# Altium PCB Copy of TempdevAmmy0923.PcbDoc (part 2 of 4)
Units mm, origin at the board's own origin, x right, y up, seen from the top; angles counter-clockwise.
Board outline 80.31 x 100.3 mm, 2 copper layers (Top Layer, Bottom Layer); 947 components, 586 nets, 3026 pads, 130 vias.
Unrouted connection lines stored in the file: 1955.
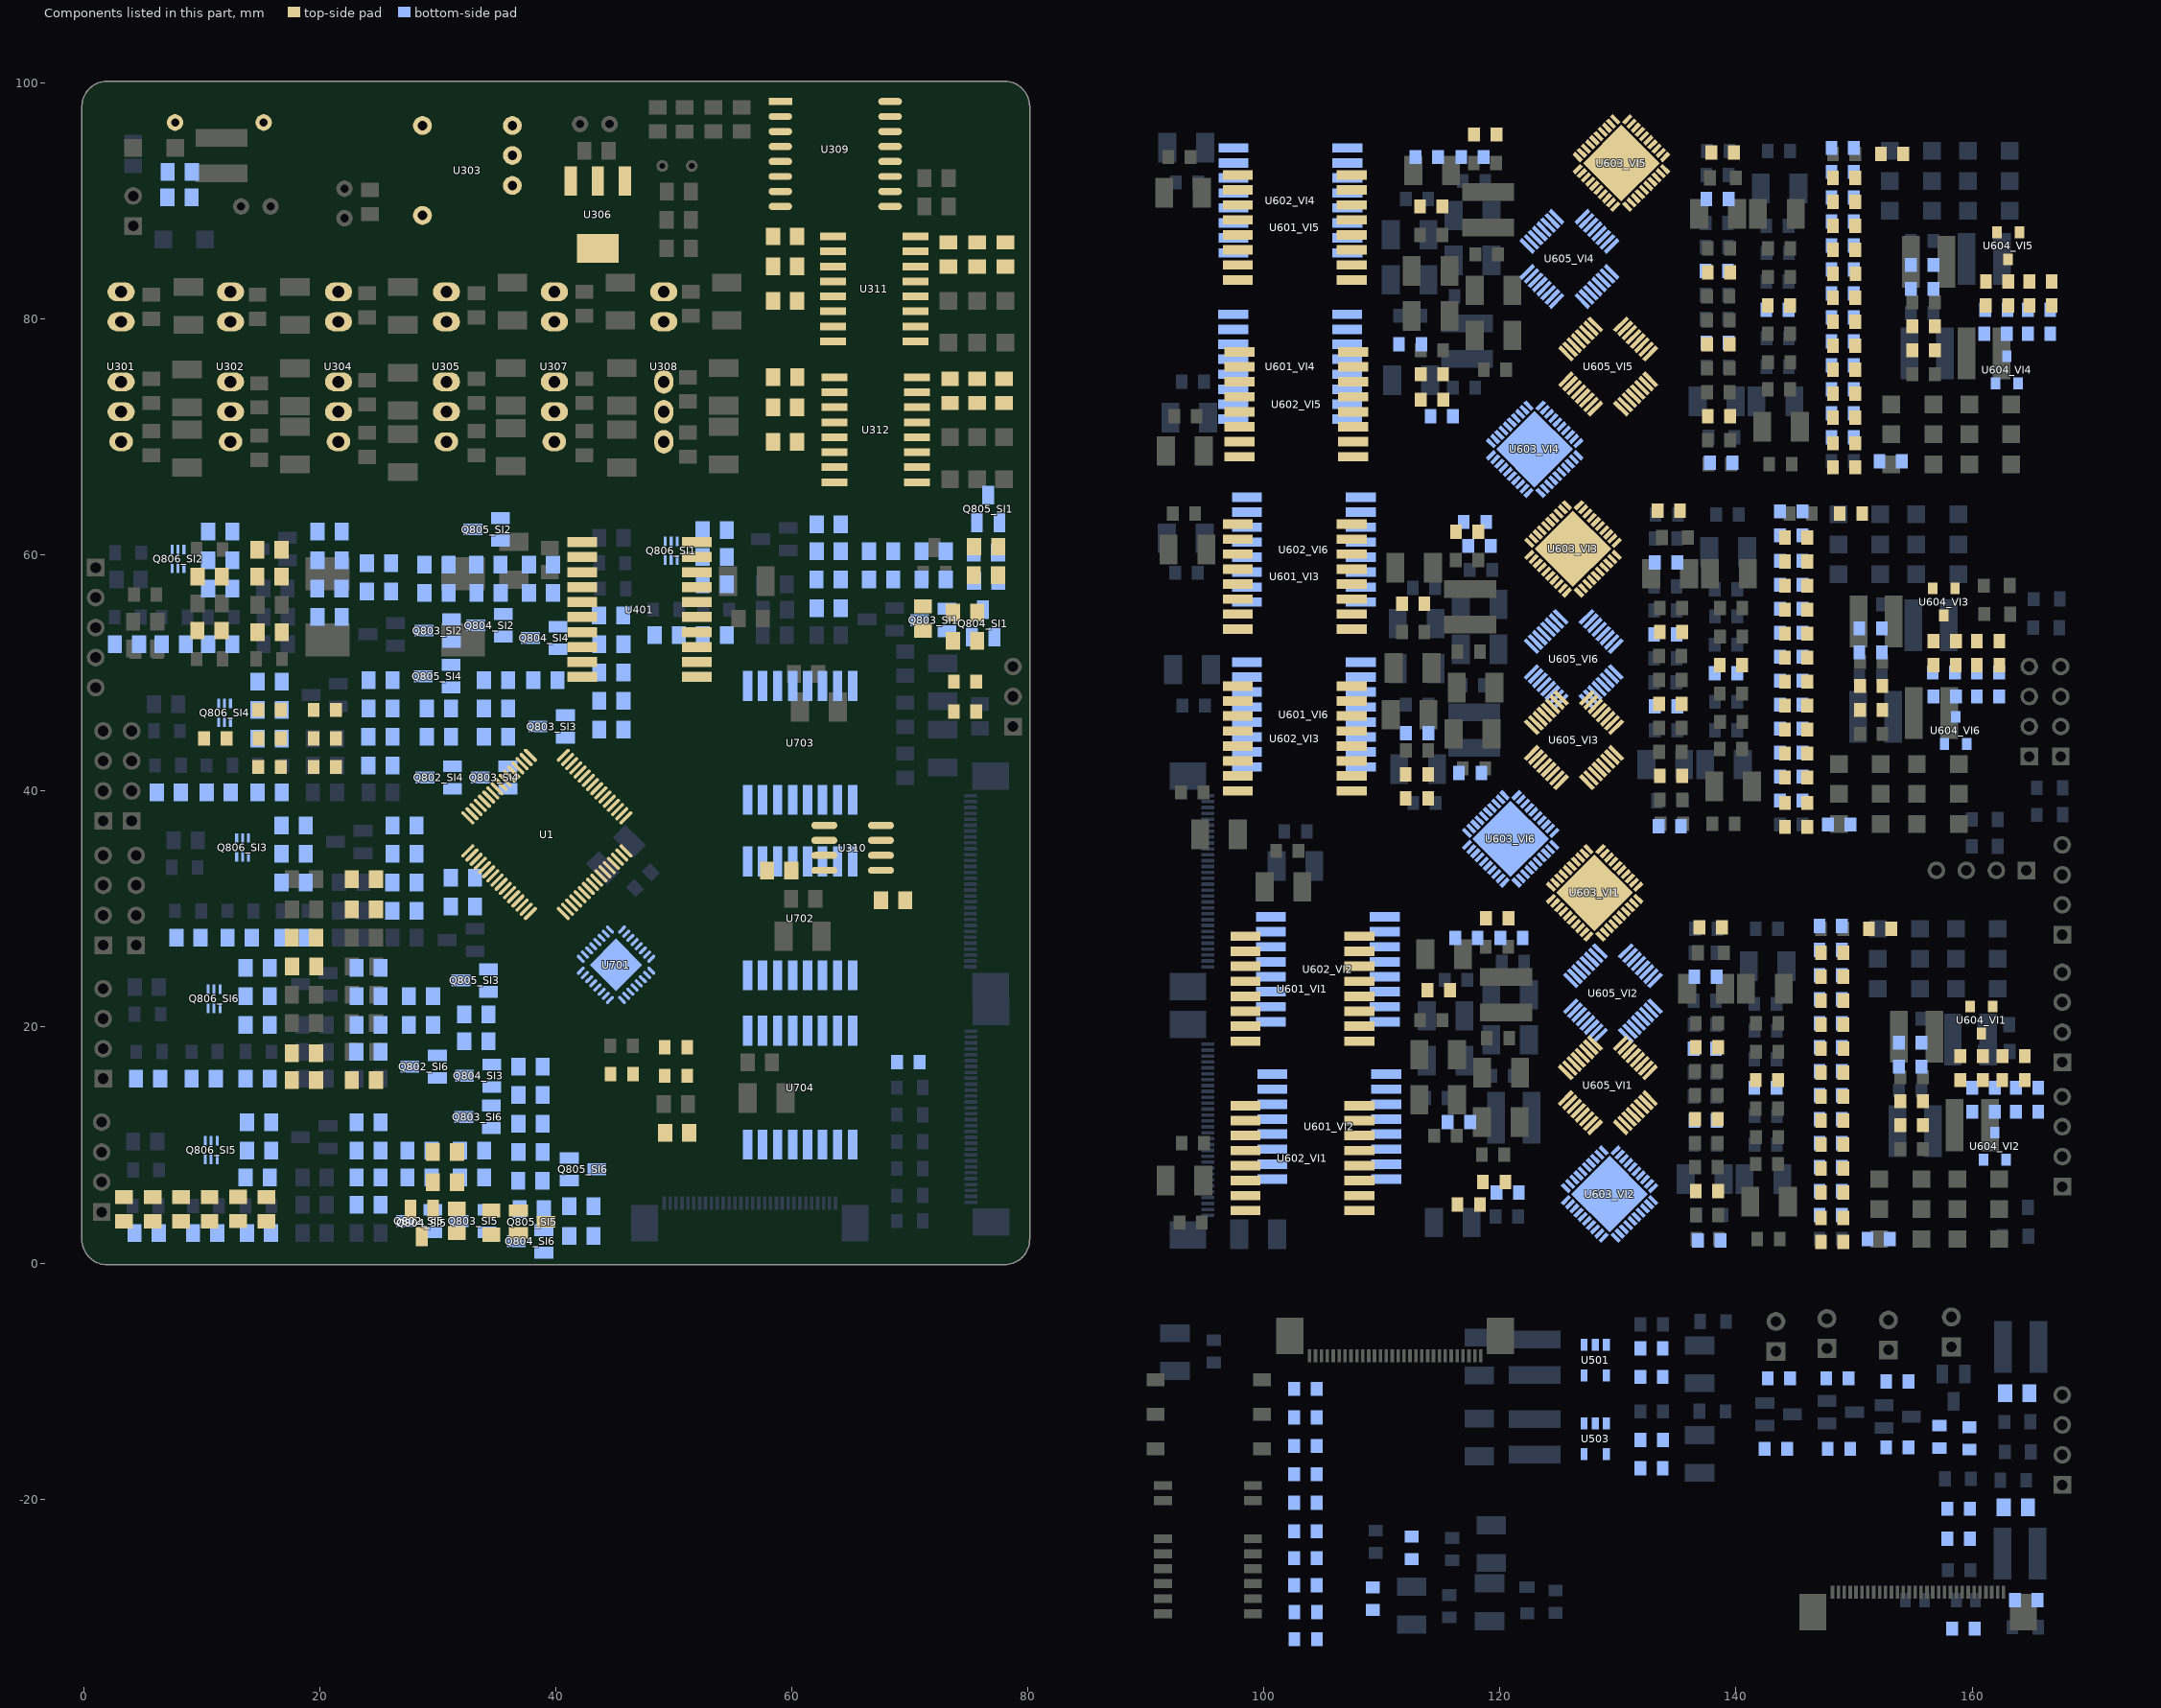
[diagram p2: the components of this part, seen from the top]

## Components (designator, comment, footprint, x,y, rotation, side; value= is the part's Value field where it differs from the comment) (continued)
Q802_SI4 "MMSS8550" SOT-23 31.242,42.098 r270 bottom (schematic designator Q802)
Q802_SI5 "MMSS8550" SOT-23 29.591,4.506 r270 bottom (schematic designator Q802)
Q802_SI6 "MMSS8550" SOT-23 29.972,17.587 r270 bottom (schematic designator Q802)
Q803_SI1 "MMSS8050" SOT-23 73.152,55.433 r270 bottom (schematic designator Q803)
Q803_SI2 "MMSS8050" SOT-23 31.164,54.549 r270 bottom (schematic designator Q803)
Q803_SI3 "MMSS8050" SOT-23 40.816,46.421 r270 bottom (schematic designator Q803)
Q803_SI4 "MMSS8050" SOT-23 35.941,42.098 r270 bottom (schematic designator Q803)
Q803_SI5 "MMSS8050" SOT-23 34.163,4.506 r270 bottom (schematic designator Q803)
Q803_SI6 "MMSS8050" SOT-23 34.544,13.34 r270 bottom (schematic designator Q803)
Q804_SI1 "MMSS8550" SOT-23 77.155,53.037 r180 bottom (schematic designator Q804)
Q804_SI2 "MMSS8550" SOT-23 35.56,54.991 r270 bottom (schematic designator Q804)
Q804_SI3 "MMSS8550" SOT-23 34.593,16.83 r270 bottom (schematic designator Q804)
Q804_SI4 "MMSS8550" SOT-23 40.181,53.914 r270 bottom (schematic designator Q804)
Q804_SI5 "MMSS8550" SOT-23 29.596,4.567 r180 top (schematic designator Q804)
Q804_SI6 "MMSS8550" SOT-23 38.989,2.794 r270 bottom (schematic designator Q804)
Q805_SI1 "BSS138" SOT-23(SS8050) 77.597,62.738 r180 bottom (schematic designator Q805)
Q805_SI2 "BSS138" SOT-23(SS8050) 35.306,63.119 r270 bottom (schematic designator Q805)
Q805_SI3 "BSS138" SOT-23(SS8050) 34.29,24.897 r270 bottom (schematic designator Q805)
Q805_SI4 "BSS138" SOT-23(SS8050) 31.115,50.678 r270 bottom (schematic designator Q805)
Q805_SI5 "BSS138" SOT-23(SS8050) 36.83,4.445 r270 top (schematic designator Q805)
Q805_SI6 "BSS138" SOT-23(SS8050) 41.148,6.985 r90 bottom (schematic designator Q805)
Q806_SI1 "Si1024X" SOT563 49.268,61.125 r270 bottom (schematic designator Q806)
Q806_SI2 "Si1024X" SOT563 7.485,60.414 r270 bottom (schematic designator Q806)
Q806_SI3 "Si1024X" SOT563 12.954,35.979 r270 bottom (schematic designator Q806)
Q806_SI4 "Si1024X" SOT563 11.43,47.371 r270 bottom (schematic designator Q806)
Q806_SI5 "Si1024X" SOT563 10.295,10.325 r270 bottom (schematic designator Q806)
Q806_SI6 "Si1024X" SOT563 10.541,23.152 r270 bottom (schematic designator Q806)
R201 "RC0805JR-000KL" 0603R 50.181,18.288 r180 top value=0R
R202 "RC0805JR-07120RL" 0603R 50.181,15.875 r180 top value=120
R203 "RC0805JR-0710KL" 0603R 45.593,16.002 r180 top value=10K
R204 "RC0805JR-0720RL" 0603R 74.676,49.26 r180 top value=20
R205 "RC0805JR-0720RL" 0603R 74.676,46.72 r180 top value=20
R206 "RC0805JR-0710KL" 0603R 20.431,46.863 r0 top value=10K
R207 "RC0805JR-0710KL" 0603R 15.748,42.037 r180 top value=10K
R208 "RC0805JR-0710KL" 0603R 15.764,44.45 r180 top value=10K
R209 "RC0805JR-0710KL" 0603R 20.431,42.037 r0 top value=NC
R210 "RC0805JR-0710KL" 0603R 20.431,44.45 r0 top value=NC
R211 "RC0805JR-0710KL" 0603R 15.748,46.863 r180 top value=NC
R212 "RC0805JR-000KL" 0603R 11.16,44.45 r0 top value=0R
R213 "RC0805JR-0710KL" 0603R 69.866,17.018 r180 bottom value=10K
R301 "PNP-200KJBJ26-10R" 0805R 8.144,92.456 r180 bottom value=10
R302 "PNP-200KJBJ26-10R" 0805R 8.128,90.297 r180 bottom value=10
R303 "10D470K" 10D470K 11.497,96.647 r180 bottom
R304 "RC0805JR-071KL" 0805R 58.944,33.274 r180 top value=1K
R305 "RC0805JR-07470RL" 0805R 68.58,30.734 r0 top value=470
R306 "RC0805JR-071KL" 0805R 73.279,85.471 r270 top value=1K
R307 "RC0805JR-071KL" 0805R 75.692,85.471 r270 top value=1K
R308 "RC0805JR-071KL" 0805R 78.105,85.471 r270 top value=1K
R309 "RC0805JR-071KL" 0805R 73.406,73.914 r270 top value=1K
R310 "RC0805JR-071KL" 0805R 75.692,73.914 r270 top value=1K
R311 "RC0805JR-071KL" 0805R 77.978,73.914 r270 top value=1K
R312 "RC0805JR-074700RL" 0805R 59.436,86.995 r180 top value=4.7K
R313 "RC0805JR-074700RL" 0805R 59.436,84.455 r180 top value=4.7K
R314 "RC0805JR-0710KL" 0805R 71.12,54.61 r90 top value=10K
R315 "RC0805JR-074700RL" 0805R 59.436,81.534 r180 top value=4.7K
R316 "RC0805JR-074700RL" 0805R 59.452,75.057 r180 top value=4.7K
R317 "RC0805JR-071KL" 0805R 76.454,60.706 r0 top value=1K
R318 "RC0805JR-071KL" 0805R 76.454,58.293 r180 top value=1K
R319 "RC0805JR-074700RL" 0805R 59.436,72.517 r180 top value=4.7K
R320 "RC0805JR-074700RL" 0805R 59.436,69.596 r180 top value=4.7K
R401 "RC0805JR-0710KL" 0805R 10.668,58.166 r0 top value=10K
R402 "RC0805JR-0720RL" 0805R 15.748,60.452 r180 top value=20
R403 "" 0805R 10.652,53.594 r0 top value=3.9K
R404 "RC0805JR-0720RL" 0805R 15.732,58.166 r0 top value=20
R405 "RC0805JR-0710KL" 0805R 15.764,53.467 r180 top value=10K
R501 "0805L075" 0805R 163.719,-20.701 r180 bottom value=PTC
R502 "" 0603R 164.592,-28.575 r180 bottom value=NC
R503 "RC0805JR-0720RL" 0603R 159.258,-30.988 r180 bottom value=20
R504 "RC0805JR-0720RL" 0603R 158.861,-23.368 r0 bottom value=20
R505 "" 0603R 158.861,-20.828 r0 bottom value=1.5K
R506 "0805L075" 0805R 163.83,-11.049 r180 bottom value=PTC
R507 "RC0805JR-0710KL" 0603R 103.521,-20.32 r180 bottom value=10K
R508 "RC0805JR-0710KL" 0603R 103.521,-22.733 r180 bottom value=10K
R509 "RC0805JR-0710KL" 0603R 103.521,-25.019 r180 bottom value=10K
R510 "RC0805JR-0710KL" 0603R 103.521,-27.305 r180 bottom value=10K
R511 "RC0805JR-0710KL" 0603R 103.537,-29.591 r180 bottom value=10K
R512 "RC0805JR-0710KL" 0603R 103.537,-31.877 r180 bottom value=10K
R513 "RC0805JR-0710KL" 0603R 103.521,-13.081 r180 bottom value=10K
R514 "RC0805JR-0710KL" 0603R 103.521,-10.668 r180 bottom value=10K
R515 "RC0805JR-0710KL" 0603R 103.521,-15.494 r180 bottom value=10K
R516 "RC0805JR-0710KL" 0603R 103.521,-17.907 r180 bottom value=10K
R517 "RC0805JR-07120RL" 0603R 159.766,-14.859 r270 bottom value=120
R518 "RC0805JR-0710KL" 0603R 157.226,-14.732 r270 bottom value=10K
R519 "RC0805JR-07120RL" 0603R 153.67,-10.033 r0 bottom value=120
R520 "RC0805JR-0710KL" 0603R 153.67,-15.621 r0 bottom value=10K
R521 "RC0805JR-07120RL" 0603R 148.59,-9.779 r0 bottom value=120
R522 "RC0805JR-0710KL" 0603R 148.717,-15.748 r0 bottom value=10K
R523 "RC0805JR-07120RL" 0603R 143.637,-9.779 r0 bottom value=120
R524 "RC0805JR-0710KL" 0603R 143.383,-15.748 r0 bottom value=10K
R525 "" 0603R 132.842,-7.239 r180 bottom value=150k
R526 "" 0603R 132.842,-9.652 r0 bottom value=51k
R527 "RC0805JR-0720RL" 0603R 109.22,-28.448 r90 bottom value=51R
R528 "RC0805JR-0720RL" 0603R 112.522,-24.13 r90 bottom value=560k
R529 "" 0603R 132.858,-14.986 r180 bottom value=127k
R530 "" 0603R 132.842,-17.399 r0 bottom value=13.3k
R601_VI1 "RT0603CRD0710KL" 0603R 119.761,29.21 r0 top (schematic designator R601)
R601_VI2 "RT0603CRD0710KL" 0603R 120.65,5.969 r0 bottom (schematic designator R601)
R601_VI3 "RT0603CRD0710KL" 0603R 117.221,61.976 r0 top (schematic designator R601)
R601_VI4 "RT0603CRD0710KL" 0603R 115.067,71.755 r180 bottom (schematic designator R601)
R601_VI5 "RT0603CRD0710KL" 0603R 118.745,95.631 r0 top (schematic designator R601)
R601_VI6 "RT0603CRD0710KL" 0603R 117.475,41.529 r0 bottom (schematic designator R601)
R602_VI1 "RC0603FR-070RL" 0603R 154.874,13.716 r180 top (schematic designator R602)
R602_VI2 "RC0603FR-070RL" 0603R 154.747,16.637 r180 bottom (schematic designator R602)
R602_VI3 "RC0603FR-070RL" 0603R 151.445,48.895 r180 top (schematic designator R602)
R602_VI4 "RC0603FR-070RL" 0603R 155.763,82.55 r180 bottom (schematic designator R602)
R602_VI5 "RC0603FR-070RL" 0603R 155.89,79.375 r180 top (schematic designator R602)
R602_VI6 "RC0603FR-070RL" 0603R 151.404,51.755 r180 bottom (schematic designator R602)
R603_VI1 "RT0603BRD0713K7L" 0603R 137.856,28.448 r0 top (schematic designator R603)
R603_VI2 "RT0603BRD0713K7L" 0603R 137.729,1.905 r0 bottom (schematic designator R603)
R603_VI3 "RT0603BRD0713K7L" 0603R 134.305,63.754 r0 top (schematic designator R603)
R603_VI4 "RT0603BRD0713K7L" 0603R 138.745,67.818 r0 bottom (schematic designator R603)
R603_VI5 "RT0603BRD0713K7L" 0603R 138.872,94.107 r0 top (schematic designator R603)
R603_VI6 "RT0603BRD0713K7L" 0603R 134.386,37.023 r0 bottom (schematic designator R603)
R604_VI1 "RC0603FR-070RL" 0603R 137.541,6.096 r180 top (schematic designator R604)
R604_VI2 "RC0603FR-070RL" 0603R 137.414,24.257 r180 bottom (schematic designator R604)
R604_VI3 "RC0603FR-070RL" 0603R 134.493,41.275 r180 top (schematic designator R604)
R604_VI4 "RC0603FR-070RL" 0603R 138.43,90.17 r180 bottom (schematic designator R604)
R604_VI5 "RC0603FR-070RL" 0603R 138.557,71.755 r180 top (schematic designator R604)
R604_VI6 "RC0603FR-070RL" 0603R 134.071,59.375 r180 bottom (schematic designator R604)
R605_VI1 "RC0603FR-070RL" 0603R 154.874,11.684 r180 top (schematic designator R605)
R605_VI2 "RC0603FR-070RL" 0603R 154.747,18.669 r180 bottom (schematic designator R605)
R605_VI3 "RC0603FR-070RL" 0603R 151.445,46.863 r180 top (schematic designator R605)
R605_VI4 "RC0603FR-070RL" 0603R 155.763,84.582 r180 bottom (schematic designator R605)
R605_VI5 "RC0603FR-070RL" 0603R 155.89,77.343 r180 top (schematic designator R605)
R605_VI6 "RC0603FR-070RL" 0603R 151.404,53.787 r180 bottom (schematic designator R605)
R606_VI1 "RC0603FR-0710RL" 0603R 152.207,28.321 r180 top (schematic designator R606)
R606_VI2 "RC0603FR-0710RL" 0603R 152.08,2.032 r180 bottom (schematic designator R606)
R606_VI3 "RC0603FR-0710RL" 0603R 149.733,63.5 r180 top (schematic designator R606)
R606_VI4 "RC0603FR-0710RL" 0603R 153.096,67.945 r180 bottom (schematic designator R606)
R606_VI5 "RC0603FR-0710RL" 0603R 153.223,93.98 r180 top (schematic designator R606)
R606_VI6 "RC0603FR-0710RL" 0603R 148.737,37.15 r180 bottom (schematic designator R606)
R607_VI1 "RT0603CRD074K7L" 0603R 148.143,24.257 r180 top (schematic designator R607)
R607_VI2 "RT0603CRD074K7L" 0603R 148.016,6.096 r180 bottom (schematic designator R607)
R607_VI3 "RT0603CRD074K7L" 0603R 145.095,59.436 r180 top (schematic designator R607)
R607_VI4 "RT0603CRD074K7L" 0603R 149.032,72.009 r180 bottom (schematic designator R607)
R607_VI5 "RT0603CRD074K7L" 0603R 149.159,89.916 r180 top (schematic designator R607)
R607_VI6 "RT0603CRD074K7L" 0603R 144.673,41.214 r180 bottom (schematic designator R607)
R608_VI1 "RT0603BRD071KL" 0603R 148.143,26.289 r180 top (schematic designator R608)
R608_VI2 "RT0603BRD071KL" 0603R 148.016,4.064 r180 bottom (schematic designator R608)
R608_VI3 "RT0603BRD071KL" 0603R 145.095,61.468 r180 top (schematic designator R608)
R608_VI4 "RT0603BRD071KL" 0603R 149.032,69.977 r180 bottom (schematic designator R608)
R608_VI5 "RT0603BRD071KL" 0603R 149.159,91.948 r180 top (schematic designator R608)
R608_VI6 "RT0603BRD071KL" 0603R 144.673,39.182 r180 bottom (schematic designator R608)
R609_VI1 "RT0603BRD071KL" 0603R 163.51,15.494 r180 top (schematic designator R609)
R609_VI2 "RT0603BRD071KL" 0603R 164.653,14.859 r180 bottom (schematic designator R609)
R609_VI3 "RT0603BRD071KL" 0603R 161.356,50.673 r180 top (schematic designator R609)
R609_VI4 "RT0603BRD071KL" 0603R 165.669,80.772 r180 bottom (schematic designator R609)
R609_VI5 "RT0603BRD071KL" 0603R 165.796,81.153 r180 top (schematic designator R609)
R609_VI6 "RT0603BRD071KL" 0603R 161.351,50.038 r180 bottom (schematic designator R609)
R610_VI1 "RT0603BRD071KL" 0603R 148.143,22.225 r180 top (schematic designator R610)
R610_VI2 "RT0603BRD071KL" 0603R 148.016,8.128 r180 bottom (schematic designator R610)
R610_VI3 "RT0603BRD071KL" 0603R 145.095,57.404 r180 top (schematic designator R610)
R610_VI4 "RT0603BRD071KL" 0603R 149.032,74.041 r180 bottom (schematic designator R610)
R610_VI5 "RT0603BRD071KL" 0603R 149.159,87.884 r180 top (schematic designator R610)
R610_VI6 "RT0603BRD071KL" 0603R 144.673,43.246 r180 bottom (schematic designator R610)
R611_VI1 "RT0603BRD071KL" 0603R 163.515,17.526 r180 top (schematic designator R611)
R611_VI2 "RT0603BRD071KL" 0603R 164.653,12.827 r180 bottom (schematic designator R611)
R611_VI3 "RT0603BRD071KL" 0603R 161.356,52.705 r180 top (schematic designator R611)
R611_VI4 "RT0603BRD071KL" 0603R 165.669,78.74 r180 bottom (schematic designator R611)
R611_VI5 "RT0603BRD071KL" 0603R 165.796,83.185 r180 top (schematic designator R611)
R611_VI6 "RT0603BRD071KL" 0603R 161.351,48.006 r180 bottom (schematic designator R611)
R612_VI1 "RC0603JR-073KL" 0603R 159.954,15.494 r180 top (schematic designator R612)
R612_VI2 "RC0603JR-073KL" 0603R 160.97,14.859 r180 bottom (schematic designator R612)
R612_VI3 "RC0603JR-073KL" 0603R 157.668,50.673 r180 top (schematic designator R612)
R612_VI4 "RC0603JR-073KL" 0603R 162.052,80.772 r180 bottom (schematic designator R612)
R612_VI5 "RC0603JR-073KL" 0603R 162.113,81.153 r180 top (schematic designator R612)
R612_VI6 "RC0603JR-073KL" 0603R 157.607,50.038 r180 bottom (schematic designator R612)
R613_VI1 "RC0603FR-070RL" 0603R 148.148,18.161 r0 top (schematic designator R613)
R613_VI2 "RC0603FR-070RL" 0603R 148.021,12.192 r0 bottom (schematic designator R613)
R613_VI3 "RC0603FR-070RL" 0603R 145.1,53.34 r0 top (schematic designator R613)
R613_VI4 "RC0603FR-070RL" 0603R 149.037,78.105 r0 bottom (schematic designator R613)
R613_VI5 "RC0603FR-070RL" 0603R 149.164,83.82 r0 top (schematic designator R613)
R613_VI6 "RC0603FR-070RL" 0603R 144.678,47.31 r0 bottom (schematic designator R613)
R614_VI1 "RC0603FR-070RL" 0603R 114.808,23.114 r180 top (schematic designator R614)
R614_VI2 "RC0603FR-070RL" 0603R 116.52,11.938 r180 bottom (schematic designator R614)
R614_VI3 "RC0603FR-070RL" 0603R 112.649,55.88 r180 top (schematic designator R614)
R614_VI4 "RC0603FR-070RL" 0603R 112.395,77.851 r180 bottom (schematic designator R614)
R614_VI5 "RC0603FR-070RL" 0603R 114.173,89.535 r180 top (schematic designator R614)
R614_VI6 "RC0603FR-070RL" 0603R 112.989,44.897 r180 bottom (schematic designator R614)
R615_VI1 "RC0603JR-073KL" 0603R 159.959,17.526 r0 top (schematic designator R615)
R615_VI2 "RC0603JR-073KL" 0603R 160.975,12.827 r0 bottom (schematic designator R615)
R615_VI3 "RC0603JR-073KL" 0603R 157.673,52.705 r0 top (schematic designator R615)
R615_VI4 "RC0603JR-073KL" 0603R 161.991,78.74 r0 bottom (schematic designator R615)
R615_VI5 "RC0603JR-073KL" 0603R 162.118,83.185 r0 top (schematic designator R615)
R615_VI6 "RC0603JR-073KL" 0603R 157.673,48.006 r0 bottom (schematic designator R615)
R616_VI1 "RT0603CRD0710KL" 0603R 148.143,20.193 r180 top (schematic designator R616)
R616_VI2 "RT0603CRD0710KL" 0603R 148.016,10.16 r180 bottom (schematic designator R616)
R616_VI3 "RT0603CRD0710KL" 0603R 145.095,55.372 r180 top (schematic designator R616)
R616_VI4 "RT0603CRD0710KL" 0603R 149.032,76.073 r180 bottom (schematic designator R616)
R616_VI5 "RT0603CRD0710KL" 0603R 149.159,85.852 r180 top (schematic designator R616)
R616_VI6 "RT0603CRD0710KL" 0603R 144.673,45.278 r180 bottom (schematic designator R616)
R617_VI1 "RC0603FR-070RL" 0603R 148.143,16.129 r0 top (schematic designator R617)
R617_VI2 "RC0603FR-070RL" 0603R 148.016,14.224 r0 bottom (schematic designator R617)
R617_VI3 "RC0603FR-070RL" 0603R 145.095,51.308 r0 top (schematic designator R617)
R617_VI4 "RC0603FR-070RL" 0603R 149.032,80.137 r0 bottom (schematic designator R617)
R617_VI5 "RC0603FR-070RL" 0603R 149.159,81.788 r0 top (schematic designator R617)
R617_VI6 "RC0603FR-070RL" 0603R 144.673,49.342 r0 bottom (schematic designator R617)
R618_VI1 "RT0603CRD0710KL" 0603R 148.143,14.097 r180 top (schematic designator R618)
R618_VI2 "RT0603CRD0710KL" 0603R 148.016,16.256 r180 bottom (schematic designator R618)
R618_VI3 "RT0603CRD0710KL" 0603R 145.095,49.276 r180 top (schematic designator R618)
R618_VI4 "RT0603CRD0710KL" 0603R 149.032,82.169 r180 bottom (schematic designator R618)
R618_VI5 "RT0603CRD0710KL" 0603R 149.159,79.756 r180 top (schematic designator R618)
R618_VI6 "RT0603CRD0710KL" 0603R 144.673,51.374 r180 bottom (schematic designator R618)
R619_VI1 "RC0603FR-070RL" 0603R 148.143,12.065 r0 top (schematic designator R619)
R619_VI2 "RC0603FR-070RL" 0603R 148.016,18.288 r0 bottom (schematic designator R619)
R619_VI3 "RC0603FR-070RL" 0603R 145.095,47.244 r0 top (schematic designator R619)
R619_VI4 "RC0603FR-070RL" 0603R 149.032,84.201 r0 bottom (schematic designator R619)
R619_VI5 "RC0603FR-070RL" 0603R 149.159,77.724 r0 top (schematic designator R619)
R619_VI6 "RC0603FR-070RL" 0603R 144.673,53.406 r0 bottom (schematic designator R619)
R620_VI1 "RT0603CRD0710KL" 0603R 148.143,10.033 r180 top (schematic designator R620)
R620_VI2 "RT0603CRD0710KL" 0603R 148.016,20.32 r180 bottom (schematic designator R620)
R620_VI3 "RT0603CRD0710KL" 0603R 145.095,45.212 r180 top (schematic designator R620)
R620_VI4 "RT0603CRD0710KL" 0603R 149.032,86.233 r180 bottom (schematic designator R620)
R620_VI5 "RT0603CRD0710KL" 0603R 149.159,75.692 r180 top (schematic designator R620)
R620_VI6 "RT0603CRD0710KL" 0603R 144.673,55.438 r180 bottom (schematic designator R620)
R621_VI1 "RC0603FR-070RL" 0603R 119.507,6.858 r180 top (schematic designator R621)
R621_VI2 "RC0603FR-070RL" 0603R 120.97,27.559 r180 bottom (schematic designator R621)
R621_VI3 "RC0603FR-070RL" 0603R 112.964,41.402 r0 top (schematic designator R621)
R621_VI4 "RC0603FR-070RL" 0603R 117.668,93.726 r180 bottom (schematic designator R621)
R621_VI5 "RC0603FR-070RL" 0603R 114.229,75.311 r0 top (schematic designator R621)
R621_VI6 "RC0603FR-070RL" 0603R 118.262,60.772 r180 bottom (schematic designator R621)
R622_VI1 "RC0603FR-070RL" 0603R 148.143,1.778 r0 top (schematic designator R622)
R622_VI2 "RC0603FR-070RL" 0603R 148.016,28.575 r0 bottom (schematic designator R622)
R622_VI3 "RC0603FR-070RL" 0603R 145.095,36.957 r0 top (schematic designator R622)
R622_VI4 "RC0603FR-070RL" 0603R 149.032,94.488 r0 bottom (schematic designator R622)
R622_VI5 "RC0603FR-070RL" 0603R 149.159,67.437 r0 top (schematic designator R622)
R622_VI6 "RC0603FR-070RL" 0603R 144.673,63.693 r0 bottom (schematic designator R622)
R623_VI1 "RT0603CRD0710KL" 0603R 117.348,4.953 r180 top (schematic designator R623)
R623_VI2 "RT0603CRD0710KL" 0603R 117.16,27.559 r180 bottom (schematic designator R623)
R623_VI3 "RT0603CRD0710KL" 0603R 112.964,39.37 r0 top (schematic designator R623)
R623_VI4 "RT0603CRD0710KL" 0603R 113.792,93.726 r180 bottom (schematic designator R623)
R623_VI5 "RT0603CRD0710KL" 0603R 114.239,73.152 r180 top (schematic designator R623)
R623_VI6 "RT0603CRD0710KL" 0603R 117.876,62.804 r0 bottom (schematic designator R623)
R624_VI1 "RT0603CRD0710KL" 0603R 148.143,3.81 r180 top (schematic designator R624)
R624_VI2 "RT0603CRD0710KL" 0603R 148.016,26.543 r180 bottom (schematic designator R624)
R624_VI3 "RT0603CRD0710KL" 0603R 145.095,38.989 r180 top (schematic designator R624)
R624_VI4 "RT0603CRD0710KL" 0603R 149.032,92.456 r180 bottom (schematic designator R624)
R624_VI5 "RT0603CRD0710KL" 0603R 149.159,69.469 r180 top (schematic designator R624)
R624_VI6 "RT0603CRD0710KL" 0603R 144.673,61.661 r180 bottom (schematic designator R624)
R625_VI1 "RC0603FR-070RL" 0603R 148.143,8.001 r0 top (schematic designator R625)
R625_VI2 "RC0603FR-070RL" 0603R 148.016,22.352 r0 bottom (schematic designator R625)
R625_VI3 "RC0603FR-070RL" 0603R 145.095,43.18 r0 top (schematic designator R625)
R625_VI4 "RC0603FR-070RL" 0603R 149.032,88.265 r0 bottom (schematic designator R625)
R625_VI5 "RC0603FR-070RL" 0603R 149.159,73.66 r0 top (schematic designator R625)
R625_VI6 "RC0603FR-070RL" 0603R 144.673,57.47 r0 bottom (schematic designator R625)
R626_VI1 "RT0603CRD0710KL" 0603R 148.143,5.969 r180 top (schematic designator R626)
R626_VI2 "RT0603CRD0710KL" 0603R 148.016,24.384 r180 bottom (schematic designator R626)
R626_VI3 "RT0603CRD0710KL" 0603R 145.095,41.148 r180 top (schematic designator R626)
R626_VI4 "RT0603CRD0710KL" 0603R 149.032,90.297 r180 bottom (schematic designator R626)
R626_VI5 "RT0603CRD0710KL" 0603R 149.159,71.628 r180 top (schematic designator R626)
R626_VI6 "RT0603CRD0710KL" 0603R 144.673,59.502 r180 bottom (schematic designator R626)
R627_VI1 "RC0603JR-07150KL" 0603R 137.48,12.192 r0 top (schematic designator R627)
R627_VI2 "RC0603JR-07150KL" 0603R 137.353,18.161 r0 bottom (schematic designator R627)
R627_VI3 "RC0603JR-07150KL" 0603R 134.432,47.371 r0 top (schematic designator R627)
R627_VI4 "RC0603JR-07150KL" 0603R 138.369,84.074 r0 bottom (schematic designator R627)
R627_VI5 "RC0603JR-07150KL" 0603R 138.496,77.851 r0 top (schematic designator R627)
R627_VI6 "RC0603JR-07150KL" 0603R 134.01,53.279 r0 bottom (schematic designator R627)
R628_VI1 "RC0603FR-071M62L" 0603R 142.621,15.494 r0 top (schematic designator R628)
R628_VI2 "RC0603FR-071M62L" 0603R 142.494,14.859 r0 bottom (schematic designator R628)
R628_VI3 "RC0603FR-071M62L" 0603R 139.573,50.673 r0 top (schematic designator R628)
R628_VI4 "RC0603FR-071M62L" 0603R 143.51,80.772 r0 bottom (schematic designator R628)
R628_VI5 "RC0603FR-071M62L" 0603R 143.637,81.153 r0 top (schematic designator R628)
R628_VI6 "RC0603FR-071M62L" 0603R 139.151,49.977 r0 bottom (schematic designator R628)
R629_VI1 "RC0603FR-071M62L" 0603R 137.541,18.288 r180 top (schematic designator R629)
R629_VI2 "RC0603FR-071M62L" 0603R 137.414,12.065 r180 bottom (schematic designator R629)
R629_VI3 "RC0603FR-071M62L" 0603R 134.493,53.467 r180 top (schematic designator R629)
R629_VI4 "RC0603FR-071M62L" 0603R 138.43,77.978 r180 bottom (schematic designator R629)
R629_VI5 "RC0603FR-071M62L" 0603R 138.557,83.947 r180 top (schematic designator R629)
R629_VI6 "RC0603FR-071M62L" 0603R 134.071,47.183 r180 bottom (schematic designator R629)
R701 "RC0805JR-075600RL" 0805R 18.669,25.146 r0 top value=5.6K
R702 "RC0805JR-071KL" 0805R 18.653,27.559 r0 top value=1K
R703 "RC0805JR-071KL" 0805R 23.733,32.512 r0 top value=1K
R704 "RC0805JR-07470RL" 0805R 23.733,29.972 r0 top value=470
R705 "RC0805JR-000KL" 0805R 50.276,11.049 r0 top value=0R
R706 "RC0805JR-071KL" 0805R 23.749,15.494 r180 top value=1K
R707 "RC0805JR-075600RL" 0805R 18.653,15.494 r0 top value=5.6K
R708 "RC0805JR-071KL" 0805R 18.669,17.78 r180 top value=1K
R801_SI1 "RC0805JR-0710KL" 0805R 67.564,60.325 r0 bottom value=10K (schematic designator R801)
R801_SI2 "RC0805JR-0710KL" 0805R 25.019,59.309 r0 bottom value=10K (schematic designator R801)
R801_SI3 "RC0805JR-0710KL" 0805R 32.131,32.639 r0 bottom value=10K (schematic designator R801)
R801_SI4 "RC0805JR-0710KL" 0805R 30.099,46.99 r0 bottom value=10K (schematic designator R801)
R801_SI5 "RC0805JR-0710KL" 0805R 28.448,9.525 r0 bottom value=10K (schematic designator R801)
R801_SI6 "RC0805JR-0710KL" 0805R 28.575,22.606 r0 bottom value=10K (schematic designator R801)
R802_SI1 "RC0805JR-0710KL" 0805R 63.119,60.325 r0 bottom value=10K (schematic designator R802)
R802_SI2 "RC0805JR-0710KL" 0805R 20.828,59.563 r0 bottom value=10K (schematic designator R802)
R802_SI3 "RC0805JR-0710KL" 0805R 27.178,34.671 r0 bottom value=10K (schematic designator R802)
R802_SI4 "RC0805JR-0710KL" 0805R 25.146,46.99 r0 bottom value=10K (schematic designator R802)
R802_SI5 "RC0805JR-0710KL" 0805R 24.13,9.525 r0 bottom value=10K (schematic designator R802)
R802_SI6 "RC0805JR-0710KL" 0805R 24.13,22.606 r0 bottom value=10K (schematic designator R802)
R803_SI1 "RC0805JR-0710KL" 0805R 63.119,62.611 r0 bottom value=10K (schematic designator R803)
R803_SI2 "RC0805JR-0710KL" 0805R 20.828,61.976 r0 bottom value=10K (schematic designator R803)
R803_SI3 "RC0805JR-0710KL" 0805R 27.178,37.084 r0 bottom value=10K (schematic designator R803)
R803_SI4 "RC0805JR-0710KL" 0805R 25.146,49.403 r0 bottom value=10K (schematic designator R803)
R803_SI5 "RC0805JR-0710KL" 0805R 24.13,11.938 r0 bottom value=10K (schematic designator R803)
R803_SI6 "RC0805JR-0710KL" 0805R 24.13,25.019 r0 bottom value=10K (schematic designator R803)
R804_SI1 "RC0805JR-0710KL" 0805R 67.564,57.912 r0 bottom value=10K (schematic designator R804)
R804_SI2 "RC0805JR-0710KL" 0805R 25.019,56.896 r0 bottom value=10K (schematic designator R804)
R804_SI3 "RC0805JR-0710KL" 0805R 32.131,30.226 r0 bottom value=10K (schematic designator R804)
R804_SI4 "RC0805JR-0710KL" 0805R 30.099,44.577 r0 bottom value=10K (schematic designator R804)
R804_SI5 "RC0805JR-0710KL" 0805R 28.448,7.239 r0 bottom value=10K (schematic designator R804)
R804_SI6 "RC0805JR-0710KL" 0805R 28.575,20.193 r0 bottom value=10K (schematic designator R804)
R805_SI1 "RC0805JR-0710KL" 0805R 72.009,60.325 r0 bottom value=10K (schematic designator R805)
R805_SI2 "RC0805JR-0710KL" 0805R 29.894,59.187 r0 bottom value=10K (schematic designator R805)
R805_SI3 "RC0805JR-0710KL" 0805R 44.704,47.625 r0 bottom value=10K (schematic designator R805)
R805_SI4 "RC0805JR-0710KL" 0805R 34.925,46.99 r0 bottom value=10K (schematic designator R805)
R805_SI5 "RC0805JR-0710KL" 0805R 32.893,9.525 r0 bottom value=10K (schematic designator R805)
R805_SI6 "RC0805JR-0710KL" 0805R 37.846,11.811 r0 bottom value=10K (schematic designator R805)
R806_SI1 "RC0805JR-0710KL" 0805R 72.009,57.912 r0 bottom value=10K (schematic designator R806)
R806_SI2 "RC0805JR-0710KL" 0805R 29.894,56.774 r0 bottom value=10K (schematic designator R806)
R806_SI3 "RC0805JR-0710KL" 0805R 44.704,45.212 r0 bottom value=10K (schematic designator R806)
R806_SI4 "RC0805JR-0710KL" 0805R 34.925,44.577 r0 bottom value=10K (schematic designator R806)
R806_SI5 "RC0805JR-0710KL" 0805R 32.893,7.239 r0 bottom value=10K (schematic designator R806)
R806_SI6 "RC0805JR-0710KL" 0805R 37.846,9.398 r0 bottom value=10K (schematic designator R806)
R807_SI1 "RC0805JR-0720RL" 0805R 76.454,57.785 r0 bottom value=20 (schematic designator R807)
R807_SI2 "RC0805JR-0720RL" 0805R 34.29,56.769 r0 bottom value=20 (schematic designator R807)
R807_SI3 "RC0805JR-0720RL" 0805R 33.258,18.796 r0 bottom value=20 (schematic designator R807)
R807_SI4 "RC0805JR-0720RL" 0805R 39.132,49.403 r180 bottom value=20 (schematic designator R807)
R807_SI5 "RC0805JR-0720RL" 0805R 31.623,3.551 r90 top value=20 (schematic designator R807)
R807_SI6 "RC0805JR-0720RL" 0805R 37.957,4.572 r0 bottom value=20 (schematic designator R807)
R808_SI1 "RC0805JR-0710KL" 0805R 74.676,52.705 r0 top value=10K (schematic designator R808)
R808_SI2 "RC0805JR-0710KL" 0805R 38.735,59.182 r0 bottom value=10K (schematic designator R808)
R808_SI3 "RC0805JR-0710KL" 0805R 37.846,16.637 r0 bottom value=10K (schematic designator R808)
R808_SI4 "RC0805JR-0710KL" 0805R 44.704,50.038 r0 bottom value=10K (schematic designator R808)
R808_SI5 "RC0805JR-0710KL" 0805R 30.607,6.858 r0 top value=10K (schematic designator R808)
R808_SI6 "RC0805JR-0710KL" 0805R 42.164,2.286 r0 bottom value=10K (schematic designator R808)
R809_SI1 "RC0805JR-0710KL" 0805R 76.454,60.198 r180 bottom value=10K (schematic designator R809)
R809_SI2 "RC0805JR-0710KL" 0805R 34.29,59.182 r180 bottom value=10K (schematic designator R809)
R809_SI3 "RC0805JR-0710KL" 0805R 33.274,21.082 r180 bottom value=10K (schematic designator R809)
R809_SI4 "RC0805JR-0710KL" 0805R 34.941,49.403 r180 bottom value=10K (schematic designator R809)
R809_SI5 "RC0805JR-0710KL" 0805R 34.544,3.429 r270 top value=10K (schematic designator R809)
R809_SI6 "RC0805JR-0710KL" 0805R 37.846,6.985 r180 bottom value=10K (schematic designator R809)
R810_SI1 "RC0805JR-0710KL" 0805R 74.676,55.118 r0 top value=10K (schematic designator R810)
R810_SI2 "RC0805JR-0710KL" 0805R 38.735,56.769 r0 bottom value=10K (schematic designator R810)
R810_SI3 "RC0805JR-0710KL" 0805R 37.846,14.224 r0 bottom value=10K (schematic designator R810)
R810_SI4 "RC0805JR-0710KL" 0805R 44.704,52.451 r0 bottom value=10K (schematic designator R810)
R810_SI5 "RC0805JR-0710KL" 0805R 30.607,9.398 r0 top value=10K (schematic designator R810)
R810_SI6 "RC0805JR-0710KL" 0805R 42.164,4.826 r0 bottom value=10K (schematic designator R810)
R811_SI1 "RC0805JR-0710KL" 0805R 53.467,59.817 r180 bottom value=10K (schematic designator R811)
R811_SI2 "RC0805JR-0710KL" 0805R 11.573,59.563 r180 bottom value=10K (schematic designator R811)
R811_SI3 "RC0805JR-0710KL" 0805R 17.796,34.671 r180 bottom value=10K (schematic designator R811)
R811_SI4 "RC0805JR-0710KL" 0805R 15.764,46.863 r180 bottom value=10K (schematic designator R811)
R811_SI5 "RC0805JR-0710KL" 0805R 14.875,9.525 r180 bottom value=10K (schematic designator R811)
R811_SI6 "RC0805JR-0710KL" 0805R 14.748,22.606 r180 bottom value=10K (schematic designator R811)
R812_SI1 "RC0805JR-0720RL" 0805R 53.467,62.103 r180 bottom value=20 (schematic designator R812)
R812_SI2 "RC0805JR-0720RL" 0805R 11.573,61.976 r180 bottom value=20 (schematic designator R812)
R812_SI3 "RC0805JR-0720RL" 0805R 17.796,37.084 r180 bottom value=20 (schematic designator R812)
R812_SI4 "RC0805JR-0720RL" 0805R 15.764,49.276 r180 bottom value=20 (schematic designator R812)
R812_SI5 "RC0805JR-0720RL" 0805R 14.875,11.938 r180 bottom value=20 (schematic designator R812)
R812_SI6 "RC0805JR-0720RL" 0805R 14.748,25.019 r180 bottom value=20 (schematic designator R812)
R813_SI1 "RC0805JR-0720RL" 0805R 63.119,57.912 r180 bottom value=20 (schematic designator R813)
R813_SI2 "RC0805JR-0720RL" 0805R 20.828,57.15 r180 bottom value=20 (schematic designator R813)
R813_SI3 "RC0805JR-0720RL" 0805R 27.178,32.258 r180 bottom value=20 (schematic designator R813)
R813_SI4 "RC0805JR-0720RL" 0805R 25.146,44.577 r180 bottom value=20 (schematic designator R813)
R813_SI5 "RC0805JR-0720RL" 0805R 24.146,7.239 r180 bottom value=20 (schematic designator R813)
R813_SI6 "RC0805JR-0720RL" 0805R 24.146,20.193 r180 bottom value=20 (schematic designator R813)
R814_SI1 "RC0805JR-0710KL" 0805R 63.135,55.499 r180 bottom value=10K (schematic designator R814)
R814_SI2 "RC0805JR-0710KL" 0805R 20.844,54.737 r180 bottom value=10K (schematic designator R814)
R814_SI3 "RC0805JR-0710KL" 0805R 27.178,29.845 r180 bottom value=10K (schematic designator R814)
R814_SI4 "RC0805JR-0710KL" 0805R 25.146,42.164 r180 bottom value=10K (schematic designator R814)
R814_SI5 "RC0805JR-0710KL" 0805R 24.146,4.953 r180 bottom value=10K (schematic designator R814)
R814_SI6 "RC0805JR-0710KL" 0805R 24.13,17.907 r180 bottom value=10K (schematic designator R814)
R815_SI1 "RC0805JR-07100RL" 0805R 53.467,57.531 r0 bottom value=100R (schematic designator R815)
R815_SI2 "RC0805JR-07100RL" 0805R 11.557,57.15 r0 bottom value=100R (schematic designator R815)
R815_SI3 "RC0805JR-07100RL" 0805R 17.78,32.258 r0 bottom value=100R (schematic designator R815)
R815_SI4 "RC0805JR-07100RL" 0805R 15.748,44.45 r0 bottom value=100R (schematic designator R815)
R815_SI5 "RC0805JR-07100RL" 0805R 14.732,7.239 r0 bottom value=100R (schematic designator R815)
R815_SI6 "RC0805JR-07100RL" 0805R 14.732,20.193 r0 bottom value=100R (schematic designator R815)
R816_SI1 "RC0805JR-071KL" 0805R 53.483,53.213 r180 bottom value=1K (schematic designator R816)
R816_SI2 "RC0805JR-071KL" 0805R 11.573,52.451 r180 bottom value=1K (schematic designator R816)
R816_SI3 "RC0805JR-071KL" 0805R 17.796,27.559 r180 bottom value=1K (schematic designator R816)
R816_SI4 "RC0805JR-071KL" 0805R 15.764,39.878 r180 bottom value=1K (schematic designator R816)
R816_SI5 "RC0805JR-071KL" 0805R 14.859,2.54 r180 bottom value=1K (schematic designator R816)
R816_SI6 "RC0805JR-071KL" 0805R 14.748,15.621 r180 bottom value=1K (schematic designator R816)
R817_SI1 "RC0805JR-071KL" 0805R 49.403,53.213 r180 bottom value=1K (schematic designator R817)
R817_SI2 "RC0805JR-071KL" 0805R 7.636,52.451 r180 bottom value=1K (schematic designator R817)
R817_SI3 "RC0805JR-071KL" 0805R 13.224,27.559 r180 bottom value=1K (schematic designator R817)
R817_SI4 "RC0805JR-071KL" 0805R 11.446,39.878 r180 bottom value=1K (schematic designator R817)
R817_SI5 "RC0805JR-071KL" 0805R 10.303,2.54 r180 bottom value=1K (schematic designator R817)
R817_SI6 "RC0805JR-071KL" 0805R 10.176,15.621 r180 bottom value=1K (schematic designator R817)
R818_SI1 "RC0805JR-07100RL" 0805R 44.688,54.864 r0 bottom value=100R (schematic designator R818)
R818_SI2 "RC0805JR-07100RL" 0805R 3.667,52.451 r0 bottom value=100R (schematic designator R818)
R818_SI3 "RC0805JR-07100RL" 0805R 8.874,27.559 r0 bottom value=100R (schematic designator R818)
R818_SI4 "RC0805JR-07100RL" 0805R 7.207,39.878 r0 bottom value=100R (schematic designator R818)
R818_SI5 "RC0805JR-07100RL" 0805R 5.318,2.54 r0 bottom value=100R (schematic designator R818)
R818_SI6 "RC0805JR-07100RL" 0805R 5.445,15.621 r0 bottom value=100R (schematic designator R818)
R819_SI1 "RC0805JR-07470RL" 0805R 15.494,4.556 r90 top value=470 (schematic designator R819)
R819_SI2 "RC0805JR-07470RL" 0805R 13.081,4.572 r90 top value=470 (schematic designator R819)
R819_SI3 "RC0805JR-07470RL" 0805R 8.255,4.556 r90 top value=470 (schematic designator R819)
R819_SI4 "RC0805JR-07470RL" 0805R 10.668,4.556 r90 top value=470 (schematic designator R819)
R819_SI5 "RC0805JR-07470RL" 0805R 3.429,4.556 r90 top value=470 (schematic designator R819)
R819_SI6 "RC0805JR-07470RL" 0805R 5.842,4.556 r90 top value=470 (schematic designator R819)
U1 "STC8H8K64U_QFN64" LQFP64S(12X12) 39.243,36.322 r45 top (schematic designator U201)
U301 "A05_S-1WR3" A_S-1WR3#1 3.175,82.296 r270 bottom
U302 "A05_S-1WR3" A_S-1WR3#1 12.446,82.296 r270 bottom
U303 "WRB_ST(SD)-3WR2" WRB_SD-3WR2 28.702,88.773 r0 bottom
U304 "A05_S-1WR3" A_S-1WR3#1 21.59,82.296 r270 bottom locked
U305 "A05_S-1WR3" A_S-1WR3#1 30.734,82.296 r270 bottom
U306 "LM1117IMP" SOT-223 43.561,91.694 r90 top
U307 "A05_S-1WR3" A_S-1WR3#1 39.878,82.296 r270 bottom
U308 "A05_S-1WR3" A_S-1WR3#2 49.149,82.296 r270 bottom
U309 "B0505ST16-W5" SOP16-1.27(V2) 59.026,98.425 r0 top
U310 "HCPL063A" SOIC-8 65.151,35.179 r180 top
U311 "TLP293-4" SO-16 63.429,86.995 r0 top
U312 "TLP293-4" SO-16 63.556,75.057 r0 top
U401 "ADM2582E" SOIC-20-W 51.919,49.657 r180 top
U501 "TPS61040DBV" SOT-23-5 126.426,-6.723 r90 bottom
U503 "TPS61040DBV" SOT-23-5 126.426,-13.387 r90 bottom
U601_VI1 "ADuM262N" SOIC-16(RI-16-2) 103.251,23.241 r0 top (schematic designator U601)
U601_VI2 "ADuM262N" SOIC-16(RI-16-2) 105.537,11.557 r0 bottom (schematic designator U601)
U601_VI3 "ADuM262N" SOIC-16(RI-16-2) 102.616,58.166 r0 top (schematic designator U601)
U601_VI4 "ADuM262N" SOIC-16(RI-16-2) 102.234,75.946 r0 bottom (schematic designator U601)
U601_VI5 "ADuM262N" SOIC-16(RI-16-2) 102.616,87.757 r0 top (schematic designator U601)
U601_VI6 "ADuM262N" SOIC-16(RI-16-2) 103.378,46.482 r0 bottom (schematic designator U601)
U602_VI1 "ADuM262N" SOIC-16(RI-16-2) 103.251,8.89 r0 top (schematic designator U602)
U602_VI2 "ADuM262N" SOIC-16(RI-16-2) 105.41,24.892 r0 bottom (schematic designator U602)
U602_VI3 "ADuM262N" SOIC-16(RI-16-2) 102.617,44.45 r0 top (schematic designator U602)
U602_VI4 "ADuM262N" SOIC-16(RI-16-2) 102.236,90.043 r0 bottom (schematic designator U602)
U602_VI5 "ADuM262N" SOIC-16(RI-16-2) 102.743,72.771 r0 top (schematic designator U602)
U602_VI6 "ADuM262N" SOIC-16(RI-16-2) 103.378,60.452 r0 bottom (schematic designator U602)
U603_VI1 "AD5753" CP-40-15(QFN40) 128.016,31.369 r225 top (schematic designator U603)
U603_VI2 "AD5753" CP-40-15(QFN40) 129.286,5.842 r135 bottom (schematic designator U603)
U603_VI3 "AD5753" CP-40-15(QFN40) 126.188,60.519 r225 top (schematic designator U603)
U603_VI4 "AD5753" CP-40-15(QFN40) 122.936,68.961 r135 bottom (schematic designator U603)
U603_VI5 "AD5753" CP-40-15(QFN40) 130.28,93.212 r225 top (schematic designator U603)
U603_VI6 "AD5753" CP-40-15(QFN40) 120.904,35.941 r135 bottom (schematic designator U603)
U604_VI1 "TL431" TL431 160.796,20.621 r180 top (schematic designator U604)
U604_VI2 "TL431" TL431 161.939,9.859 r180 bottom (schematic designator U604)
U604_VI3 "TL431" TL431 157.621,56.054 r180 top (schematic designator U604)
U604_VI4 "TL431" TL431 162.955,75.645 r180 bottom (schematic designator U604)
U604_VI5 "TL431" TL431 163.068,86.233 r180 top (schematic designator U604)
U604_VI6 "TL431" TL431 158.623,45.085 r180 bottom (schematic designator U604)
U605_VI1 "DAC8742H" S-PQFP-G32 129.144,15.066 r315 top (schematic designator U605)
U605_VI2 "DAC8742H" S-PQFP-G32 129.57,22.858 r45 bottom (schematic designator U605)
U605_VI3 "DAC8742H" S-PQFP-G32 126.268,44.321 r315 top (schematic designator U605)
U605_VI4 "DAC8742H" S-PQFP-G32 125.887,85.088 r45 bottom (schematic designator U605)
U605_VI5 "DAC8742H" S-PQFP-G32 129.161,75.976 r315 top (schematic designator U605)
U605_VI6 "DAC8742H" S-PQFP-G32 126.238,51.181 r45 bottom (schematic designator U605)
U701 "AD7124-8" TI-RHB32-3150X3150TP_V 45.102,25.273 r45 bottom
U702 "ADuM260N" SOIC-16 56.261,34.034 r270 bottom
U703 "ADuM260N" SOIC-16 56.261,48.893 r270 bottom
U704 "ADuM241D" SOIC-16 56.261,19.685 r270 bottom